# Altium PCB OneBox.PcbDoc (part 8 of 13) (continued)
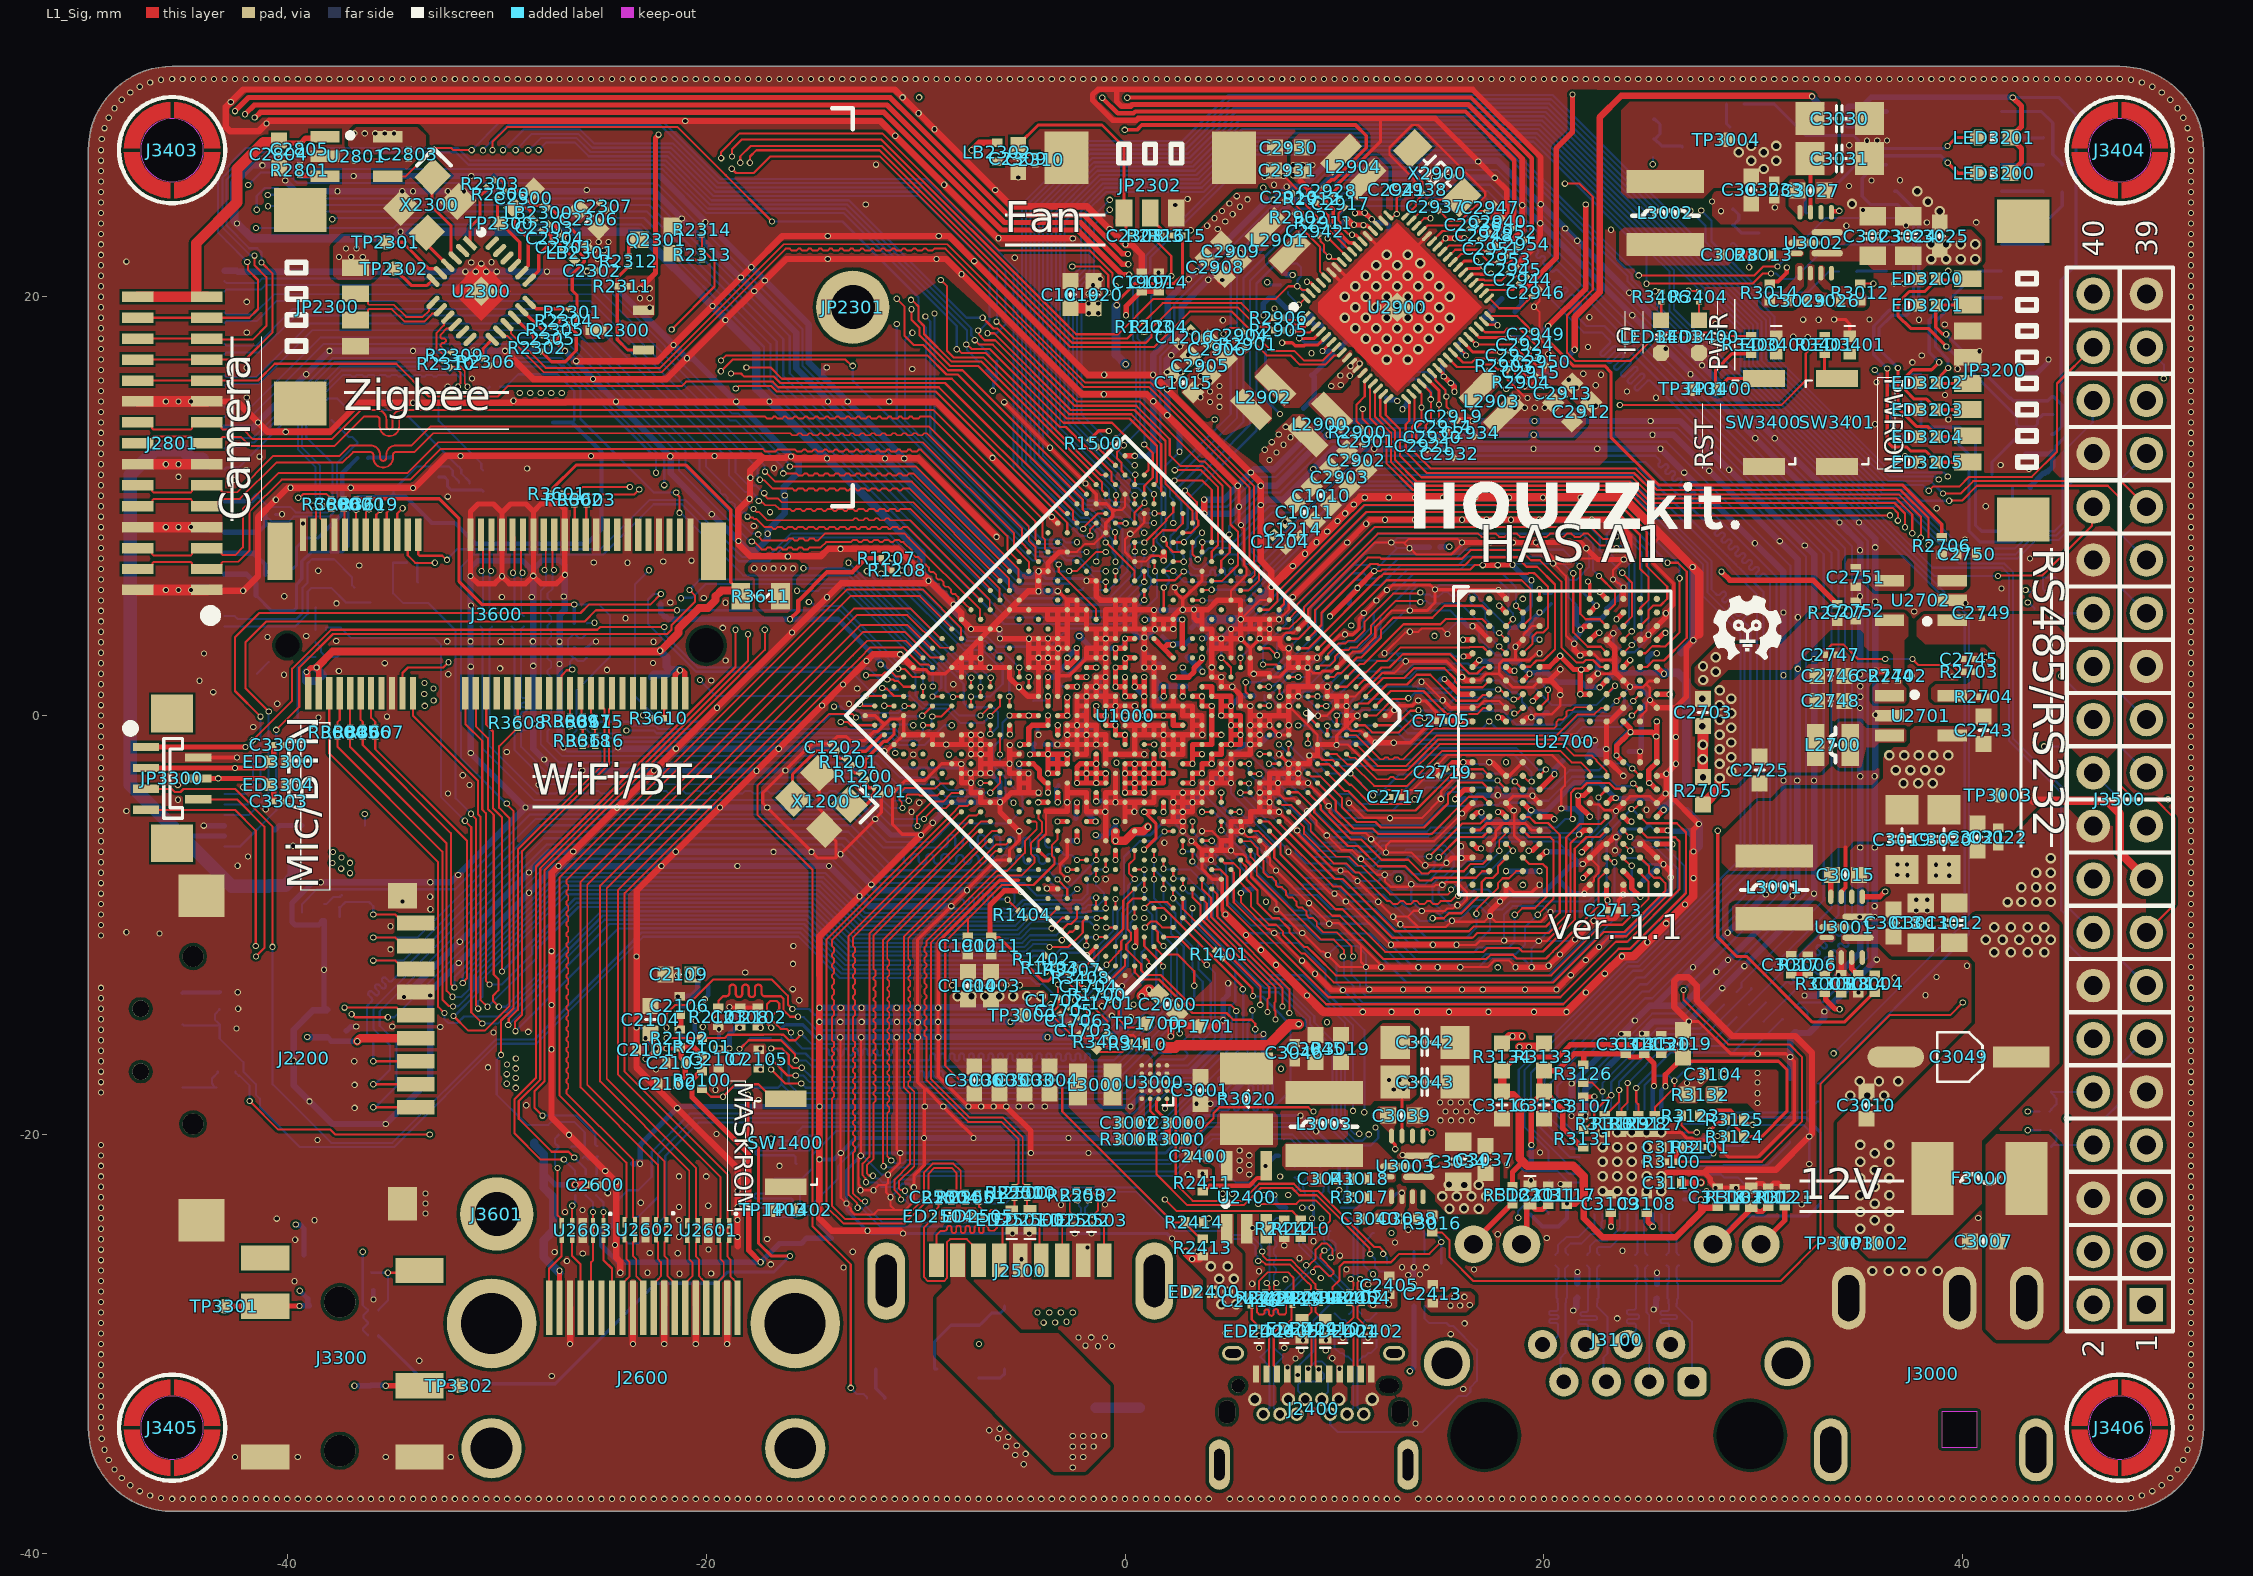
[diagram p0: L1_Sig view]
## Nets (pads, with @x,y where several pads share a name; then routed paths per layer and width w, separated by ;. In a path a pad name is that pad's centre, name@x,y a point inside that pad or via, vN(x,y) a via of type N, cw(c..) or ccw(c..) an arc to the next point about the centre after c; other vN are vias at no path point) (continued)
I2S1_SDI0_M0/PDM_SDI0_M0_RK809: U1000.B21 U2900.18 | length 94.8
  L1_Sig w0.102: U1000.B21@2.758,-8.733 2.758,-9.23 6.468,-12.941 6.468,-13.798 v1(6.453,-13.813) ; U2900.18@13.424,15.116 13.573,14.967 13.573,14.073 13.403,13.903 13.403,12.597 14.413,11.587 24.3,11.587 25.324,10.564 36.92,10.564 36.922,10.562 36.944,10.562 37.999,9.506 v1@37.999,8.499
  L4_Sig w0.102: v1(6.453,-13.813) 6.453,-14.573 8.893,-17.013 23.125,-17.013 23.647,-16.49 26.681,-16.49 28.481,-14.69 35.11,-14.69 38.273,-11.527 38.273,-9.828 41.5,-6.601 41.5,4.5 37.995,8.005 v1(37.995,8.495)
I2S1_SDO0_M0_RK809: U1000.B20 U2900.17 | length 88
  L1_Sig w0.102: U1000.B20@3.217,-8.273 3.217,-8.665 3.6,-9.048 3.6,-9.687 6.886,-12.973 6.886,-13.459 6.793,-13.552 6.793,-14.147 v1(6.799,-14.153) ; U2900.17@12.576,15.116 12.442,14.982 12.442,14.897 12.445,14.894 12.445,14.355 13.129,13.671 13.129,12.402 14.147,11.384 24.216,11.384 25.239,10.36 36.835,10.36 37.59,9.606 v1(37.59,8.705)
  L4_Sig w0.102: v1(6.799,-14.153) 6.799,-14.631 8.977,-16.81 23.041,-16.81 23.563,-16.287 26.597,-16.287 34.5,-8.384 34.5,5.616 v1(37.59,8.705)
IO_LED: R3406.1 U1000.AC21 | length 66.9
  L1_Sig w0.102: v1(-6.9,1.352) -6.897,1.349 -6.897,0.922 U1000.AC21@-6.894,0.919 ; v1(25.315,20.263) 25.321,20.256 25.594,20.256 R3406.1@25.6,20.25
  L4_Sig w0.102: v1(-12.329,6.896) -12.329,6.566 -12.007,6.244 -10.543,6.244 -9.403,7.384 -9.403,16.96 -5.863,20.5 -5.205,20.5 -2.83,22.876 -2.83,23.746 -1.617,24.958 1.394,24.958 3.863,27.428 17.347,27.428 18.203,26.572 22.828,26.572 25.315,24.085 v1(25.315,20.263)
  L6_Sig w0.102: v1(-12.329,6.896) -7.833,2.4 -7.461,2.4 -7.208,2.147 -7.012,1.951 -6.9,1.839 v1(-6.9,1.352)
LCD0_PWREN_H_GPIO3_B6: U1000.AF6 U2800.4 | length 79.8
  L1_Sig w0.102: v1(-1.666,8.6) -1.666,8.905 U1000.AF6@-1.379,9.192
  L4_Sig w0.102: v1(-36.3,-4.7) -34.303,-2.703 -34.303,6.703 -30.784,10.222 -30.784,15.452 -29.016,17.221 -29.016,22.738 -30.661,24.383 v1(-30.661,26.99)
  L6_Sig w0.102: U2800.4@-36.3,-5.25 v1(-36.3,-4.7) ; v1(-30.661,26.99) -30.661,27.006 -30.337,27.33 -30.321,27.33 -29.451,28.2 -22.191,28.2 -19.414,25.422 -9.593,25.422 -5.335,21.164 -5.335,11.783 -2.136,8.583 -1.683,8.583 v1(-1.666,8.6)
LCD_LED_CON1_GPIO2_A3: R2813.1 R2814.1 U1000.E27 | length 58
  L1_Sig w0.102: v1(-31.226,-4.683) -31.226,-4.705 -30.987,-4.943 -30.987,-13.839 -30.889,-13.937 v1(-30.889,-13.991)
  L6_Sig w0.102: R2813.1@-34.298,7.325 R2813.1@-34.298,7.3 R2814.1@-34.95,7.3 -34.95,5.845 -34.486,5.381 -33.281,5.381 -31.963,4.063 -31.963,-3.946 v1(-31.226,-4.683) ; v1(-30.889,-13.991) -30.889,-13.634 -30.686,-13.43 -30.686,-12.586 -26.629,-8.529 -14.744,-8.529 -12.83,-10.443 -5.071,-10.443 -4.458,-9.83 -1.699,-9.83 -1.417,-10.112 v1(-1.379,-10.112)
LCD_LED_CON2_GPIO2_A4: R2815.1 R2816.1 U1000.E28 | length 57.3
  L1_Sig w0.102: v1(-31.523,-5.023) -31.219,-5.327 -31.219,-14.168 v1(-30.69,-14.697) ; v1(-1.851,-10.981) -1.845,-10.975 -1.845,-10.578 U1000.E28@-1.838,-10.571
  L6_Sig w0.102: R2815.1@-38.15,4.2 R2816.1@-37.45,4.2 -37.45,4.175 -37.376,4.101 -37.351,4.101 -36.95,3.7 -32.972,3.7 -32.657,3.385 -32.657,-3.89 v1(-31.523,-5.023) ; v1(-30.69,-14.697) -29.936,-14.697 -29.58,-14.341 -29.436,-14.341 -24.843,-9.749 -15.249,-9.749 -13.297,-11.7 -4.603,-11.7 -4.37,-11.467 -3.942,-11.467 -3.824,-11.586 -3.228,-11.586 -2.966,-11.324 -2.193,-11.324 v1@-1.851,-10.982
LCD_LED_CONTROL_1: J2800.6 Q2800.3 | length 8.7
  L6_Sig w0.102: J2800.6@-43.003,4.25 -39.634,4.25 -39.023,4.861 -39.023,5.924 -38.847,6.1 -37.9,6.1 -37.2,5.4 Q2800.3@-36.025,5.4
LCD_LED_CONTROL_2: J2800.7 Q2801.3 | length 9.5
  L6_Sig w0.102: J2800.7@-43.003,4.75 -42.503,4.75 -42.363,4.61 -39.562,4.61 -39.274,4.897 -39.274,6.104 -39.034,6.344 -39.034,7.261 -38.83,7.465 -37.765,7.465 -36.918,6.618 -36.918,6.236 Q2801.3@-36.807,6.125
LCD_POW_AVDD: C2808.1 D2801.1 D2803.2 J2800.11 R2805.1 R2807.1 U2803.5 | length 41.4
  L6_Sig w0.102: D2801.1@-34.931,10.562 -34.931,10.769 -33.8,11.9 -32.3,11.9 -32.1,11.7 -32.1,11.475 -31.8,11.175 R2807.1@-31.8,11.1 ; R2805.1@-29.85,15.7 -29.569,15.7 -28.969,16.3 -27.1,16.3 -26.3,15.5 -26.3,14.1 -26.4,14
  L6_Sig w0.152: C2808.1@-41.5,5.75 C2808.1@-41.45,5.7 -40.76,5.01 -39.695,5.01 -39.559,5.146 -39.559,6.277 -39.308,6.528 -39.308,7.366 -38.865,7.809 -37.391,7.809 -37.1,8.1 -37.1,10 -36.65,10.45 D2801.1@-35.043,10.45
  L6_Sig w0.203: D2801.1@-35.043,10.45 -34.931,10.562 -34.826,10.457 -34.357,10.457 -33.1,9.2 -32,9.2 -31,8.2 -25.7,8.2 -25,8.9 -25,12.6 -26.4,14 U2803.5@-27.303,14
  L6_Sig w0.254: J2800.11@-43.003,6.75 -41.95,6.75 -41.5,6.3 C2808.1@-41.5,5.75
LCD_POW_LED: C2807.2 D2800.2 J2800.3 J2800.4 R2804.2 | length 4.3
  L6_Sig w0.102: C2807.2@-41.45,2 -40.885,2.565 ; D2800.2@-39.5,-0.1 -39.5,2.3 -39,2.8 R2804.2@-38.65,2.8
LCD_POW_VCOM: C2809.1 J2800.18 R2807.2 R2808.1 | length 20.5
  L6_Sig w0.102: C2809.1@-41.45,10.5 -40.917,9.967 -39.867,9.967 -39.603,9.703 -38.074,9.703 -37.837,9.94 -37.837,12.037 -39.096,13.296 -39.096,14.104 -38.058,15.142 -37.621,15.142 -37.079,14.6 -34.55,14.6 -31.849,11.899 -31.824,11.899 -31.75,11.825 R2808.1@-31.75,11.8 -31.694,11.744 -31.694,11.569 -31.3,11.175 -31.3,11.125 R2807.2@-31.3,11.075
  L6_Sig w0.254: J2800.18@-43.003,10.25 -41.7,10.25 C2809.1@-41.45,10.5
LCD_POW_VGH: C2813.2 DZ2800.2 J2800.13 R2809.2 R2810.2 | length 11
  L6_Sig w0.152: R2810.2@-41.05,6.7 -41.05,6.725 -40.856,6.919 -40.856,6.92 -40.749,7.028 -39.709,7.028 -39.562,7.175 -39.562,8.038 -39.124,8.476 -38.539,8.476 DZ2800.2@-38.315,8.7
  L6_Sig w0.203: C2813.2@-41.45,7.6 -41.05,7.2 R2810.2@-41.05,6.725 ; DZ2800.2@-38.315,8.7 -37.38,9.634 -37.38,11.57 R2809.2@-36.65,12.3
  L6_Sig w0.254: J2800.13@-43.003,7.75 -41.6,7.75 C2813.2@-41.45,7.6
LCD_POW_VGL: C2814.2 DZ2801.1 J2800.15 R2811.2 R2812.2 | length 11.7
  L6_Sig w0.102: R2811.2@-41.05,9.6 -41.05,9.575 -40.735,9.26 -39.94,9.26 -39.7,9.5 -37.99,9.5 -37.634,9.855 -37.634,12.037 -37.3,12.371 -36.749,12.922 -36.724,12.922 -36.65,12.996 -36.65,13.046 -36.903,13.3 -37.075,13.3 DZ2801.1@-37.888,14.112
  L6_Sig w0.203: C2814.2@-41.45,8.7 -41.05,9.1 R2811.2@-41.05,9.575
  L6_Sig w0.254: J2800.15@-43.003,8.75 -41.5,8.75 C2814.2@-41.45,8.7
LCD_RESET_H_GPIO0_C0: J2800.21 U1000.AD22 | length 45.6
  L1_Sig w0.102: v1(-21.426,10.649) -21.426,10.595 -21.27,10.44 v1(-21.27,9.68) ; v1(-8.217,0.893) -8.204,0.906 -7.826,0.906 U1000.AD22@-7.814,0.919
  L6_Sig w0.102: J2800.21@-43.003,11.75 -42.904,11.849 -42.322,11.849 -37.498,16.673 -27.186,16.673 -26.988,16.475 -26.875,16.475 -26,15.6 -26,14.16 -22.49,10.649 v1(-21.426,10.649) ; v1(-21.27,9.68) -21.217,9.68 -18.235,6.698 -13.173,6.698 -13.066,6.591 -8.575,2.1 -8.575,1.212 -8.256,0.893 v1(-8.217,0.893)
LCD_STBYB_GPIO0_C1: J2800.23 U1000.AF23 | length 46.2
  L4_Sig w0.102: v1(-22.4,11.6) -22.4,6.745 -21.255,5.6 v1(-21.2,5.6)
  L6_Sig w0.102: J2800.23@-43.003,12.75 -42.923,12.83 -42.27,12.83 -42.053,13.047 -41.566,13.047 -37.736,16.876 -27.101,16.876 -26.929,16.704 -26.804,16.704 -22.4,12.3 v1(-22.4,11.6) ; v1(-21.2,5.6) -21.174,5.626 -20.674,5.626 -20.009,6.291 -13.341,6.291 -9.183,2.133 v1(-9.183,1.389)
LCD_TP_SYNC_GPIO0_B7: J2800.24 U1000.AH26 | length 45.9
  L1_Sig w0.102: v1(-12.374,0.935) -12.368,0.929 -11.5,0.929 U1000.AH26@-11.491,0.919
  L4_Sig w0.102: v1(-22,11.006) -22,7.8 -20.455,6.255 -20.455,5.245 -21.6,4.1 -21.6,3 v1(-20.3,1.7)
  L6_Sig w0.102: J2800.24@-43.003,13.25 -41.65,13.25 -37.821,17.079 -26.892,17.079 -26.713,16.9 -26.7,16.9 -22,12.2 v1(-22,11.006) ; v1(-20.3,1.7) -19.539,0.939 -14.17,0.939 -14.166,0.935 v1(-12.374,0.935)
LPDDR4_A_A0: U1000.C2 U2700.H2 | length 7.6
  L1_Sig w0.104: U1000.C2@11.031,0.46 11.046,0.46 11.165,0.579 11.603,0.579 12.509,1.485 13.459,1.485 13.925,1.951 14.573,1.951 15.817,0.707 16.805,0.707 17.09,0.991 17.359,0.991 U2700.H2@17.392,1.024
LPDDR4_A_A1: U1000.B1 U2700.J2 | length 6.3
  L1_Sig w0.104: U1000.B1@11.96,0.455 12.683,1.178 14.246,1.178 14.827,0.597 15.349,0.075 16.133,0.075 16.138,0.07 16.816,0.07 17.107,0.361 17.379,0.361 U2700.J2@17.392,0.374
LPDDR4_A_A2: U1000.E4 U2700.H9 | length 16.6
  L1_Sig w0.104: U1000.E4@9.192,0.46 9.194,0.458 v1(9.61,0.457) v1(9.61,0.457) ; U2700.H9@22.992,1.024 v1(23.392,1.424)
  L6_Sig w0.104: v1(9.61,0.457) 9.665,0.457 9.82,0.612 9.825,0.612 11.013,1.8 13.567,1.8 13.952,2.185 16.249,2.185 16.449,1.985 17.836,1.985 18.494,1.327 19.559,1.327 20.386,0.5 22.5,0.5 23.392,1.392 v1(23.392,1.424)
LPDDR4_A_A3: U1000.C4 U2700.H10 | length 16.2
  L1_Sig w0.104: U1000.C4@10.112,-0.46 v1(10.112,0) ; v1(23.467,0.699) U2700.H10@23.792,1.024
  L6_Sig w0.104: v1(10.112,0) 10.147,0 10.273,0.126 10.744,0.126 11.419,0.8 12.887,0.8 14.124,-0.437 15.344,-0.437 16.017,0.236 17.677,0.236 17.692,0.251 17.944,0.251 17.959,0.236 18.02,0.236 18.255,0.001 18.255,-0.037 18.45,-0.233 18.489,-0.233 18.693,-0.437 20.763,-0.437 21.385,0.185 22.953,0.185 v1(23.467,0.699)
LPDDR4_A_A4: U1000.C5 U2700.H11 | length 16.5
  L1_Sig w0.104: U1000.C5@9.652,-0.919 U1000.C5@9.652,-0.919 9.653,-0.491 v1(9.654,-0.49) ; v1@24.267,0.699 U2700.H11@24.591,1.024
  L6_Sig w0.104: v1(9.654,-0.49) 9.671,-0.49 9.881,-0.7 10.9,-0.7 11.121,-0.479 13.125,-0.479 13.491,-0.846 21.109,-0.846 21.723,-0.232 23.336,-0.232 v1(24.266,0.699)
LPDDR4_A_A5: U1000.D5 U2700.J11 | length 18.1
  L1_Sig w0.104: v1(8.651,0.118) 8.651,0.08 U1000.D5@9.191,-0.46 ; v1(24.2,0) 24.209,0 24.583,0.374 U2700.J11@24.592,0.374
  L6_Sig w0.104: v1(8.651,0.118) 8.651,0.094 8.858,-0.112 8.858,-0.186 9.624,-0.952 9.624,-0.957 9.685,-1.018 11.057,-1.018 11.272,-0.803 13.013,-0.803 13.364,-1.153 21.236,-1.153 21.489,-0.9 21.5,-0.9 21.854,-0.546 23.654,-0.546 v1(24.2,0)
LPDDR4_A_CKE0: U1000.B3 U2700.J4 | length 9
  L1_Sig w0.104: U1000.B3@11.031,-0.46 11.46,-0.46 11.8,-0.8 12.9,-0.8 13.081,-0.8 13.781,-0.1 v1(14.3,-0.1) ; v1(18.589,0.101) 18.627,0.139 18.757,0.139 U2700.J4@18.992,0.374
  L6_Sig w0.104: v1(14.3,-0.1) 15.246,-0.1 15.905,0.558 18.132,0.558 v1(18.589,0.101)
LPDDR4_A_CKE1: U1000.F4 U2700.J5 | length 13.7
  L1_Sig w0.104: U1000.F4@8.733,0.919 v1(9.192,0.919) ; U2700.J5@19.792,0.374 20.192,0.774 v1(20.192,1.238)
  L6_Sig w0.104: v1(9.192,0.919) 9.698,0.919 10.886,2.107 13.408,2.107 13.793,2.492 16.376,2.492 16.569,2.3 17.955,2.3 18.621,1.634 19.796,1.634 v1(20.192,1.238)
LPDDR4_A_CLK_N: U1000.A4 U2700.J9 | length 13.5
  L1_Sig w0.091: U1000.A4@11.031,-1.379 12.054,-2.402 13.418,-2.402 14.877,-0.943 20.61,-0.943 21.606,0.053 22.413,0.053 22.714,0.355 22.973,0.355 U2700.J9@22.992,0.374
LPDDR4_A_CLK_P: U1000.B4 U2700.J8 | length 13.5
  L1_Sig w0.091: U1000.B4@10.571,-0.919 10.59,-0.938 11.043,-0.938 12.186,-2.082 12.331,-2.082 12.413,-2 12.543,-2 12.625,-2.082 12.785,-2.082 12.867,-2 13.029,-2 13.111,-2.082 13.285,-2.082 14.745,-0.623 20.477,-0.623 20.606,-0.494 20.606,-0.294 20.718,-0.182 20.918,-0.182 21.076,-0.024 21.076,0.176 21.157,0.257 21.357,0.257 21.5,0.4 22.165,0.4 U2700.J8@22.192,0.374
LPDDR4_A_CS0N: U1000.A2 U2700.H4 | length 7.7
  L1_Sig w0.104: U1000.A2@11.95,-0.46 12.94,-0.46 13.63,0.23 13.986,0.23 v1(14.01,0.254) ; v1(18.557,0.766) 18.596,0.804 18.772,0.804 U2700.H4@18.992,1.024
  L6_Sig w0.104: v1(14.01,0.254) 14.024,0.24 15.152,0.24 15.778,0.866 18.259,0.866 18.344,0.781 18.542,0.781 v1(18.557,0.766)
LPDDR4_A_CS1N: U1000.B2 U2700.H3 | length 7.3
  L1_Sig w0.104: U1000.B2@11.491,0 11.987,0 12.784,0.797 13.494,0.797 v1(13.528,0.83) ; v1(17.813,1.248) 17.851,1.21 17.952,1.21 18.139,1.024 U2700.H3@18.192,1.024
  L6_Sig w0.104: v1(13.528,0.83) 13.58,0.83 13.843,1.093 15.55,1.093 15.705,1.248 v1(17.813,1.248)
LPDDR4_A_ODT0_CA: U1000.C1 U2700.G2 | length 7
  L1_Sig w0.104: U1000.C1@11.491,0.947 12.335,1.792 13.332,1.792 13.798,2.259 15.247,2.259 15.758,1.747 15.758,1.641 16.043,1.357 17.075,1.357 U2700.G2@17.392,1.674
LPDDR4_B_A0: U1000.B8 U2700.R2 | length 11.3
  L1_Sig w0.104: U1000.B8@8.733,-2.758 8.877,-2.902 9.323,-2.902 10.365,-3.944 10.365,-4.031 10.364,-4.032 10.364,-4.308 10.365,-4.31 10.365,-4.383 11.064,-5.083 11.956,-5.083 12.218,-5.345 14.274,-5.345 15.418,-4.201 15.418,-3.771 15.67,-3.52 15.989,-3.2 17.065,-3.2 U2700.R2@17.392,-3.526
LPDDR4_B_A1: U1000.A7 U2700.P2 | length 9.4
  L1_Sig w0.104: U1000.A7@9.652,-2.758 10.502,-3.607 10.668,-3.607 11.594,-4.533 11.933,-4.533 ; 11.933,-4.533 13.867,-4.533 15.839,-2.561 17.076,-2.561 U2700.P2@17.392,-2.876
LPDDR4_B_A2: U1000.E11 U2700.R9 | length 20.7
  L1_Sig w0.104: U1000.E11@5.975,-2.758 5.991,-2.773 6.388,-2.773 v1(6.403,-2.789) ; v1(22.607,-3.911) U2700.R9@22.992,-3.526
  L6_Sig w0.104: v1(6.403,-2.789) 6.423,-2.789 6.966,-3.332 6.966,-3.449 8.755,-5.238 8.755,-5.416 9.392,-6.053 10.953,-6.053 11.146,-6.246 11.938,-6.246 12.195,-5.989 14.711,-5.989 14.885,-5.815 21.115,-5.815 21.321,-6.021 21.889,-6.021 22.607,-5.304 v1(22.607,-3.911)
LPDDR4_B_A3: U1000.D9 U2700.R10 | length 20.8
  L1_Sig w0.104: v1(6.869,-2.302) 6.871,-2.3 7.352,-2.3 U1000.D9@7.354,-2.298 ; v1(21.372,-4.939) 21.372,-4.885 21.29,-4.803 21.29,-3.679 21.485,-3.483 21.797,-3.483 22.061,-3.219 23.119,-3.219 23.395,-3.495 23.76,-3.495 U2700.R10@23.792,-3.526
  L6_Sig w0.104: v1(6.869,-2.302) 6.907,-2.302 8.012,-3.407 9.036,-4.43 9.036,-4.532 10.047,-5.543 14.402,-5.543 14.597,-5.348 20.603,-5.348 21.012,-4.939 v1(21.372,-4.939)
LPDDR4_B_A4: U1000.E9 U2700.R11 | length 21.4
  L1_Sig w0.104: v1(6.435,-1.838) U1000.E9@6.894,-1.838 ; v1(24.266,-3.239) 24.285,-3.239 24.572,-3.526 U2700.R11@24.592,-3.526
  L6_Sig w0.104: v1(6.435,-1.838) 6.878,-1.838 7.023,-1.983 8.14,-3.1 8.143,-3.1 9.343,-4.3 9.343,-4.405 10.174,-5.236 14.275,-5.236 15.188,-4.323 16.839,-4.323 16.895,-4.268 17.805,-4.268 17.91,-4.163 19.59,-4.163 19.685,-4.068 20.207,-4.068 21.356,-2.919 23.019,-2.919 23.471,-3.371 24.107,-3.371 24.238,-3.239 v1(24.266,-3.239)
LPDDR4_B_A5: U1000.B7 U2700.P11 | length 17.3
  L1_Sig w0.104: U1000.B7@9.192,-2.298 9.215,-2.32 9.74,-2.32 10.719,-3.3 10.796,-3.3 11.721,-4.225 12.382,-4.225 13.591,-4.226 v1(13.827,-3.99) ; v1(24.215,-2.527) 24.228,-2.527 24.578,-2.876 U2700.P11@24.592,-2.876
  L6_Sig w0.104: v1(13.827,-3.99) 14.381,-3.436 18.008,-3.436 18.054,-3.482 20.358,-3.482 21.233,-2.608 22.626,-2.608 22.947,-2.287 23.948,-2.287 24.187,-2.527 v1(24.215,-2.527)
LPDDR4_B_CKE0: U1000.D6 U2700.P4 | length 13.1
  L1_Sig w0.104: v1(8.725,-1.332) 8.729,-1.328 8.729,-0.923 U1000.D6@8.733,-0.919 ; U2700.P4@18.992,-2.876 19,-2.876 19.233,-3.11 19.376,-3.11 v1(19.414,-3.148)
  L6_Sig w0.104: v1(8.725,-1.332) 9.801,-2.407 13.827,-2.407 14.365,-1.869 18.57,-1.869 19.414,-2.714 v1(19.414,-3.148)
LPDDR4_B_CKE1: U1000.E6 U2700.P5 | length 13.8
  L1_Sig w0.104: v1(8.271,-0.468) 8.273,-0.466 U1000.E6@8.273,-0.46 ; U2700.P5@19.792,-2.876 U2700.P5@19.792,-2.876 20.093,-2.573 v1(20.093,-2.571)
  L6_Sig w0.104: v1(8.271,-0.468) 8.705,-0.468 9.317,-1.079 9.317,-1.489 9.928,-2.1 13.7,-2.1 14.238,-1.562 18.697,-1.562 18.835,-1.7 18.845,-1.7 19.062,-1.917 19.064,-1.917 19.735,-2.588 20.077,-2.588 v1(20.093,-2.571)
LPDDR4_B_CLK_N: U1000.A5 U2700.P9 | length 14.4
  L1_Sig w0.091: U1000.A5@10.571,-1.838 10.745,-2.013 10.992,-2.013 12.02,-3.041 12.562,-3.041 12.662,-2.941 12.816,-2.941 12.916,-3.041 13.34,-3.041 15.015,-1.365 20.91,-1.365 21.459,-1.914 22.299,-1.914 22.314,-1.929 22.511,-2.126 22.511,-2.168 22.978,-2.635 22.978,-2.76 U2700.P9@22.974,-2.764
LPDDR4_B_CLK_P: U1000.B6 U2700.P8 | length 14.4
  L1_Sig w0.091: U1000.B6@9.652,-1.838 10.119,-1.838 10.613,-2.333 10.86,-2.333 11.888,-3.361 13.472,-3.361 15.147,-1.685 20.777,-1.685 21.326,-2.234 21.77,-2.234 22.191,-2.656 22.191,-2.755 U2700.P8@22.184,-2.762
LPDDR4_B_CS0N: U1000.D8 U2700.R4 | length 13.8
  L1_Sig w0.104: v1(7.81,-1.35) 7.812,-1.352 7.812,-1.837 U1000.D8@7.814,-1.838 ; v1(18.614,-3.148) U2700.R4@18.992,-3.526
  L6_Sig w0.104: v1(7.81,-1.35) 7.81,-1.382 10.178,-3.75 10.75,-3.75 11.227,-4.227 12.657,-4.227 14.121,-2.763 15.926,-2.763 ; 15.927,-2.764 18.229,-2.764 v1(18.614,-3.148)
LPDDR4_B_CS1N: U1000.E8 U2700.R3 | length 12.9
  L1_Sig w0.104: v1(7.354,-1.384) U1000.E8@7.354,-1.379 ; v1(17.786,-3.101) 17.786,-3.111 18.192,-3.516 U2700.R3@18.192,-3.526
  L6_Sig w0.104: v1(7.354,-1.384) 7.372,-1.384 10.522,-4.534 12.785,-4.534 14.218,-3.101 v1(17.786,-3.101)
LPDDR4_B_ODT0_CA: U1000.A8 U2700.T2 | length 10.3
  L1_Sig w0.104: U1000.A8@9.192,-3.217 9.194,-3.219 10.056,-4.081 10.056,-4.51 10.07,-4.523 10.07,-4.536 10.924,-5.39 11.828,-5.39 12.09,-5.652 14.639,-5.652 16.418,-3.873 17.088,-3.873 U2700.T2@17.392,-4.176
LPDDR4_RESETn: C2700.2 U1000.F11 U2700.T11 | length 30.2
  L1_Sig w0.102: U1000.F11@5.515,-2.298 5.519,-2.301 5.919,-2.301 v1(5.922,-2.305) ; v1(24.176,-4.459) 24.215,-4.42 24.348,-4.42 U2700.T11@24.592,-4.176
  L6_Sig w0.102: v1(5.922,-2.305) 5.901,-2.325 5.901,-2.754 6.073,-2.925 ; 6.073,-2.926 6.491,-3.344 6.573,-3.344 8.551,-5.323 8.551,-5.501 9.307,-6.257 10.857,-6.257 11.1,-6.5 11.973,-6.5 12.279,-6.193 15.26,-6.193 15.697,-6.63 15.697,-7.203 15.212,-7.688 15.035,-7.688 14.673,-8.049 14.673,-8.873 15.193,-9.393 16.007,-9.393 16.6,-8.8 17.1,-8.8 17.552,-9.252 18.024,-9.252 18.403,-8.872 19.42,-8.872 22.128,-8.872 22.6,-8.4 22.6,-6.035 v1(24.176,-4.459) 24.211,-4.459 24.655,-4.903 C2700.2@24.691,-4.903
MIC1_INN: C2954.1 C3300.2 ED3300.1 JP3300.3 | length 104.7
  L1_Sig w0.203: v1(0.1,29.497) 0.119,29.516 0.187,29.516 0.189,29.518 16.515,29.518 19.419,26.614 19.419,23.019 C2954.1@19.093,22.693
  L1_Sig w0.254: JP3300.3@-46.75,-2.5 -41.125,-2.5 -40.998,-2.373 -40.993,-2.373 -40.85,-2.23 -40.85,-2.2 -40.65,-2 C3300.2@-40.65,-1.423
  L4_Sig w0.203: v3(-42.5,-2.5) -44.8,-0.2 -44.8,0.436 -39.484,5.752 -36.511,5.752 -32.762,9.501 -32.762,27.571 -31.833,28.5 -27.334,28.5 -25.126,26.292 -21.515,26.292 -19.43,28.376 -8.824,28.376 -8.439,28.761 -0.637,28.761 v1(0.1,29.497)
MIC1_INP: C2952.1 C3303.2 ED3304.1 JP3300.4 | length 102.3
  L1_Sig w0.203: v1(-1.088,29.497) -0.351,28.761 0.405,28.761 0.492,28.848 16.251,28.848 18.584,26.515 18.584,23.453 18.459,23.328 18.459,23.295 C2952.1@18.477,23.277
  L1_Sig w0.254: JP3300.4@-44.25,-3 v3(-43.3,-3) ; v3@-43.286,-3 -41.142,-3 -41.015,-3.127 -40.993,-3.127 -40.825,-3.295 ED3304.1@-40.825,-3.3 ; ED3304.1@-40.85,-3.325 -40.65,-3.525 C3303.2@-40.65,-4.077
  L4_Sig w0.203: v3(-43.3,-3) -45.6,-0.7 -45.6,0.8 -39.933,6.467 -36.73,6.467 -33.588,9.61 -33.588,27.71 -32.097,29.2 -27.1,29.2 -26.8,28.9 -24.852,26.952 -21.848,26.952 -19.662,29.138 -9.062,29.138 -8.703,29.497 v1(-1.088,29.497)
MIPI_AVDD_0V9: C1709.2 C1806.2 C1808.2 LB2903.2 U1000.W14 U1000.W15 U1000.W16 | length 25.4
  L1_Sig w0.254: U1000.W16@-2.758,1.379 v1(-2.298,1.379) ; U1000.W15@-2.298,1.838 v1@-1.853,1.838 ; U1000.W14@-1.838,2.298 v1(-1.379,2.298)
  L4_Sig w0.089: v1(-1.379,2.298) -0.935,2.298 -0.611,1.974 -0.325,1.974 -0.019,2.281 0.348,2.281 0.687,2.62 1.242,2.62 1.523,2.9
  L4_Sig w0.102: 1.523,2.9 1.959,3.336 1.959,4.557 2.113,4.711 2.113,4.957 2.544,5.388 2.71,5.388 3.821,6.5 5.352,6.5 10.7,11.848 10.7,12.718 v1(12.999,15.018)
  L4_Sig w0.254: v1(-2.298,1.379) -2.298,1.386 -1.846,1.838 v1(-1.846,1.846) -1.838,1.846 -1.386,2.298 v1(-1.379,2.298)
  L6_Sig w0.127: C1806.2@-3.177,1.523 -3.123,1.523 -3,1.4 -2.319,1.4 v1(-2.298,1.379)
  L6_Sig w0.254: LB2903.2@12.5,15.15 12.573,15.077 12.927,15.077 12.987,15.018 v1(12.999,15.018)
MIPI_AVDD_1V8: C1710.2 C1805.2 C1807.2 LB2904.2 U1000.Y14 U1000.Y15 U1000.Y17 | length 32.5
  L1_Sig w0.254: U1000.Y17@-3.677,1.379 v1(-3.677,1.838) ; v1(-2.758,2.758) U1000.Y15@-2.758,2.298 U1000.Y14@-2.298,2.758 -2.298,3.217 v1(-2.305,3.225)
  L4_Sig w0.102: v1(-3.677,1.838) v1(-2.758,2.758) ; v1@-2.758,2.765 v1@-2.305,3.217 ; v1(-2.305,3.225) -4.504,5.424 -4.504,13.487 -0.792,17.2 1.505,17.2 1.829,16.876 8.471,16.876 v1@8.897,17.302
  L4_Sig w0.254: v1(-3.677,1.838) v1@-3.677,1.846 ; v1@-2.305,3.217 v1(-2.305,3.225)
  L6_Sig w0.254: v1(-3.677,1.838) -3.425,1.838 -2.758,2.506 v1(-2.758,2.758) C1807.2@-2.674,2.841 ; C1807.2@-2.674,2.842 -2.305,3.211 v1(-2.305,3.225)
  other v1: 8.9,17.305
MIPI_CSI_RX_CLK0_N: J2801.8 U1000.AH10 | length 48.2
  L1_Sig w0.091: J2801.8@-46.446,13.204 -46.446,13.28 -46.392,13.334 -44.608,13.334 -44.554,13.28 J2801.8@-44.554,13.204 ; J2801.8@-43.85,13 -43.35,13 -43.146,13.204 -43.146,13.246 -43.092,13.3 -42.2,13.3 -41.78,12.88 -37.744,12.88 -36.344,14.28 -36.288,14.28 -35.737,14.28 cw(c-35.737,14.133) -35.59,14.133 -35.59,13.814 ccw(c-35.123,13.814) -34.655,13.814 -34.655,14.133 cw(c-34.508,14.133) -34.508,14.28 -34.302,14.28 -17.18,14.28 -17.086,14.186 -16.88,14.186 -16.786,14.28 -16.68,14.28 -16.586,14.186 -16.38,14.186 -16.286,14.28 -16.18,14.28 -16.086,14.186 -15.88,14.186 -15.786,14.28 -15.68,14.28 -15.586,14.186 -15.38,14.186 -15.286,14.28 -15.18,14.28 -15.086,14.186 -14.88,14.186 -14.786,14.28 -14.68,14.28 -14.586,14.186 -14.38,14.186 -14.286,14.28 -14.18,14.28 -14.086,14.186 -13.88,14.186 -13.786,14.28 -13.68,14.28 -13.586,14.186 -13.38,14.186 -13.286,14.28 -13.18,14.28 -13.086,14.186 -12.88,14.186 -12.786,14.28 -12.68,14.28 -12.586,14.186 -12.38,14.186 -12.286,14.28 -12.18,14.28 -12.086,14.186 -11.88,14.186 -11.786,14.28 -11.68,14.28 -11.586,14.186 -11.38,14.186 -11.286,14.28 -11.18,14.28 -11.086,14.186 -10.88,14.186 -10.786,14.28 -10.68,14.28 -10.586,14.186 -10.38,14.186 -10.286,14.28 -10.18,14.28 -10.086,14.186 -9.88,14.186 -9.786,14.28 -9.286,14.28 -4.269,9.264 -4.269,8.406 U1000.AH10@-4.137,8.273
MIPI_CSI_RX_CLK0_P: J2801.9 U1000.AG10 | length 48.2
  L1_Sig w0.091: J2801.9@-46.452,13.796 -46.452,13.714 -46.392,13.654 -45.801,13.654 -45.199,13.654 -44.608,13.654 -44.548,13.714 J2801.9@-44.548,13.796 ; J2801.9@-43.85,14 -43.35,14 -43.146,13.796 -43.146,13.72 -43.092,13.666 -42.114,13.666 -41.647,13.2 -37.876,13.2 -36.476,14.6 -36.288,14.6 -35.737,14.6 cw(c-35.737,14.133) -35.27,14.133 -35.27,13.814 ccw(c-35.123,13.814) -34.975,13.814 -34.975,14.133 cw(c-34.508,14.133) -34.508,14.6 -34.302,14.6 -9.153,14.6 -3.949,9.396 -3.949,8.538 -3.817,8.406 -3.817,7.953 U1000.AG10@-3.677,7.814
MIPI_CSI_RX_D0_N: J2801.2 U1000.AH12 | length 48
  L1_Sig w0.091: J2801.2@-46.446,7.204 -46.446,7.28 -46.392,7.334 -44.608,7.334 -44.554,7.28 J2801.2@-44.554,7.204 ; J2801.2@-43.85,7 -43.356,7 -43.152,7.204 -43.152,7.286 -43.092,7.346 -42.354,7.346 -41.8,7.9 -41.8,9.747 -40.274,11.273 -34.127,11.273 -32.67,12.73 -17.307,12.73 -17.182,12.606 -16.7,12.606 -16.606,12.7 -15.753,12.7 -15.658,12.606 -15.453,12.606 -15.358,12.7 -15.253,12.7 -15.158,12.606 -14.953,12.606 -14.858,12.7 -14.753,12.7 -14.658,12.606 -14.453,12.606 -14.358,12.7 -14.253,12.7 -14.158,12.606 -13.953,12.606 -13.858,12.7 -13.753,12.7 -13.658,12.606 -13.453,12.606 -13.358,12.7 -13.253,12.7 -13.158,12.606 -12.953,12.606 -12.858,12.7 -12.753,12.7 -12.658,12.606 -12.453,12.606 -12.358,12.7 -12.253,12.7 -12.158,12.606 -11.953,12.606 -11.858,12.7 -11.753,12.7 -11.658,12.606 -11.453,12.606 -11.358,12.7 -11.253,12.7 -11.158,12.606 -10.953,12.606 -10.858,12.7 -10.753,12.7 -10.658,12.606 -10.453,12.606 -10.358,12.7 -10.253,12.7 -10.158,12.606 -9.953,12.606 -9.858,12.7 -9.753,12.7 -5.62,8.567 -5.62,7.918 U1000.AH12@-5.056,7.354
MIPI_CSI_RX_D0_P: J2801.3 U1000.AG12 | length 48.1
  L1_Sig w0.091: J2801.3@-46.452,7.796 -46.452,7.714 -46.392,7.654 -45.801,7.654 -45.199,7.654 -44.608,7.654 -44.548,7.714 J2801.3@-44.548,7.796 ; J2801.3@-43.85,8 -43.35,8 -43.146,7.796 -43.146,7.72 -43.092,7.666 -42.486,7.666 -42.12,8.033 -42.12,9.88 -40.407,11.593 -34.259,11.593 -32.802,13.051 -9.651,13.051 -5.3,8.7 -5.3,8.051 -4.596,7.347 U1000.AG12@-4.596,6.894
MIPI_CSI_RX_D1_N: J2801.5 U1000.AH11 | length 48.6
  L1_Sig w0.091: J2801.5@-47.15,10 J2801.5@-46.65,10 ; J2801.5@-46.446,10.204 -46.446,10.28 -46.392,10.334 -44.608,10.334 -44.554,10.28 J2801.5@-44.554,10.204 ; J2801.5@-44.35,10 -43.356,10 -43.152,10.204 -43.152,10.286 -43.092,10.346 -42.262,10.346 -40.528,12.08 -37.367,12.08 -36.862,12.586 -36.859,12.586 -36.039,12.586 cw(c-36.039,12.438) -35.892,12.438 -35.892,12.311 ccw(c-35.424,12.311) -34.957,12.311 -34.957,12.438 cw(c-34.81,12.438) -34.81,12.586 -34.043,12.586 -33.935,12.586 -33.041,13.48 -15.98,13.48 -15.886,13.386 -15.68,13.386 -15.586,13.48 -15.48,13.48 -15.386,13.386 -15.18,13.386 -15.086,13.48 -14.98,13.48 -14.886,13.386 -14.68,13.386 -14.586,13.48 -14.48,13.48 -14.386,13.386 -14.18,13.386 -14.086,13.48 -13.98,13.48 -13.886,13.386 -13.68,13.386 -13.586,13.48 -13.48,13.48 -13.386,13.386 -13.18,13.386 -13.086,13.48 -12.98,13.48 -12.886,13.386 -12.68,13.386 -12.586,13.48 -12.48,13.48 -12.386,13.386 -12.18,13.386 -12.086,13.48 -11.98,13.48 -11.886,13.386 -11.68,13.386 -11.586,13.48 -11.48,13.48 -11.386,13.386 -11.18,13.386 -11.086,13.48 -10.98,13.48 -10.886,13.386 -10.68,13.386 -10.586,13.48 -10.48,13.48 -10.386,13.386 -10.18,13.386 -10.086,13.48 -9.98,13.48 -9.886,13.386 -9.68,13.386 -9.586,13.48 -9.48,13.48 -4.92,8.92 -4.92,8.219 -4.627,7.925 -4.627,7.844 U1000.AH11@-4.596,7.814
MIPI_CSI_RX_D1_P: J2801.6 U1000.AG11 | length 48.7
  L1_Sig w0.091: J2801.6@-47.15,11 J2801.6@-46.65,11 ; J2801.6@-46.452,10.796 -46.452,10.714 -46.392,10.654 -45.801,10.654 -45.199,10.654 -44.608,10.654 -44.548,10.714 J2801.6@-44.548,10.796 ; J2801.6@-44.35,11 J2801.6@-43.85,11 -43.35,11 -43.146,10.796 -43.146,10.72 -43.092,10.666 -42.394,10.666 -40.661,12.4 -37.5,12.4 -36.994,12.906 -36.859,12.906 -36.039,12.906 cw(c-36.039,12.438) -35.572,12.438 -35.572,12.311 ccw(c-35.424,12.311) -35.277,12.311 -35.277,12.438 cw(c-34.81,12.438) -34.81,12.906 -34.068,12.906 -34.043,12.931 -33.173,13.8 -9.348,13.8 -4.6,9.053 -4.6,8.351 -4.276,8.028 -4.276,7.501 U1000.AG11@-4.137,7.362
MIPI_DSI_TX0_CLK_N: J2800.33 U1000.AG15 | length 44.4
  L1_Sig w0.091: v1(-17.226,10.623) -17.226,10.566 -17.159,10.499 -17.159,10.467 -17.059,10.366 -16.562,10.366 -16.382,10.186 -16.112,10.186 -16.11,10.188 -10.113,10.188 -6,6.074 -6,5.54 U1000.AG15@-5.975,5.515
  L6_Sig w0.091: J2800.33@-43.003,17.75 -42.913,17.66 -41.493,17.66 -39.733,19.42 -25.653,19.42 -18.6,12.367 -18.6,11.6 -17.996,10.996 -17.63,10.996 -17.256,10.623 v1(-17.226,10.623)
MIPI_DSI_TX0_CLK_P: J2800.32 U1000.AH15 | length 44.2
  L1_Sig w0.091: v1(-17.486,10.252) -17.43,10.252 -17.363,10.185 -17.33,10.185 -17.191,10.046 -16.695,10.046 -16.514,9.866 -16.002,9.866 -16,9.868 -15.906,9.773 -15.8,9.773 -15.706,9.868 -15.5,9.868 -15.406,9.773 -15.3,9.773 -15.206,9.868 -15,9.868 -14.906,9.773 -14.8,9.773 -14.706,9.868 -14.5,9.868 -14.406,9.773 -14.3,9.773 -14.206,9.868 -14,9.868 -13.906,9.773 -13.8,9.773 -13.706,9.868 -13.5,9.868 -13.406,9.773 -13.3,9.773 -13.206,9.868 -13,9.868 -12.906,9.773 -12.8,9.773 -12.706,9.868 -12.5,9.868 -12.406,9.773 -12.3,9.773 -12.206,9.868 -12,9.868 -11.906,9.773 -11.8,9.773 -11.706,9.868 -11.5,9.868 -11.406,9.773 -11.3,9.773 -11.206,9.868 -11,9.868 -10.906,9.773 -10.8,9.773 -10.706,9.868 -10.246,9.868 -6.465,6.087 -6.465,6.005 U1000.AH15@-6.435,5.975
  L6_Sig w0.091: J2800.32@-43.003,17.25 -42.913,17.34 -41.36,17.34 -39.6,19.1 -25.786,19.1 -18.92,12.234 -18.92,11.467 -18.129,10.676 -17.794,10.676 -17.604,10.486 -17.604,10.426 -17.486,10.309 v1(-17.486,10.252)
MIPI_DSI_TX0_D0_N: J2800.27 U1000.AG17 | length 44.4
  L1_Sig w0.091: v1(-17.518,8.654) -17.477,8.613 -17.477,8.516 -17.315,8.354 -16.161,8.354 -16.067,8.448 -15.861,8.448 -15.767,8.354 -15.661,8.354 -15.567,8.448 -15.361,8.448 -15.267,8.354 -15.161,8.354 -15.067,8.448 -14.861,8.448 -14.767,8.354 -14.661,8.354 -14.314,8.701 -10.549,8.701 -10.326,8.479 -10.325,8.479 -6.919,5.074 -6.919,4.621 U1000.AG17@-6.894,4.596
  L6_Sig w0.091: J2800.27@-43.003,14.75 -42.913,14.66 -41.816,14.66 -38.416,18.06 -26.426,18.06 -20.98,12.614 -20.98,11.84 -17.835,8.694 -17.676,8.694 -17.675,8.693 -17.558,8.693 v1(-17.518,8.654)